# Altium PCB controller_V1.0.PcbDoc (part 3 of 8)
Units mm, origin at the board's own origin, x right, y up, seen from the top; angles counter-clockwise.
Board outline 284.13 x 175.13 mm, 4 copper layers (Top Layer, GND, VCC, Bottom Layer); 496 components, 415 nets, 1682 pads, 750 vias.
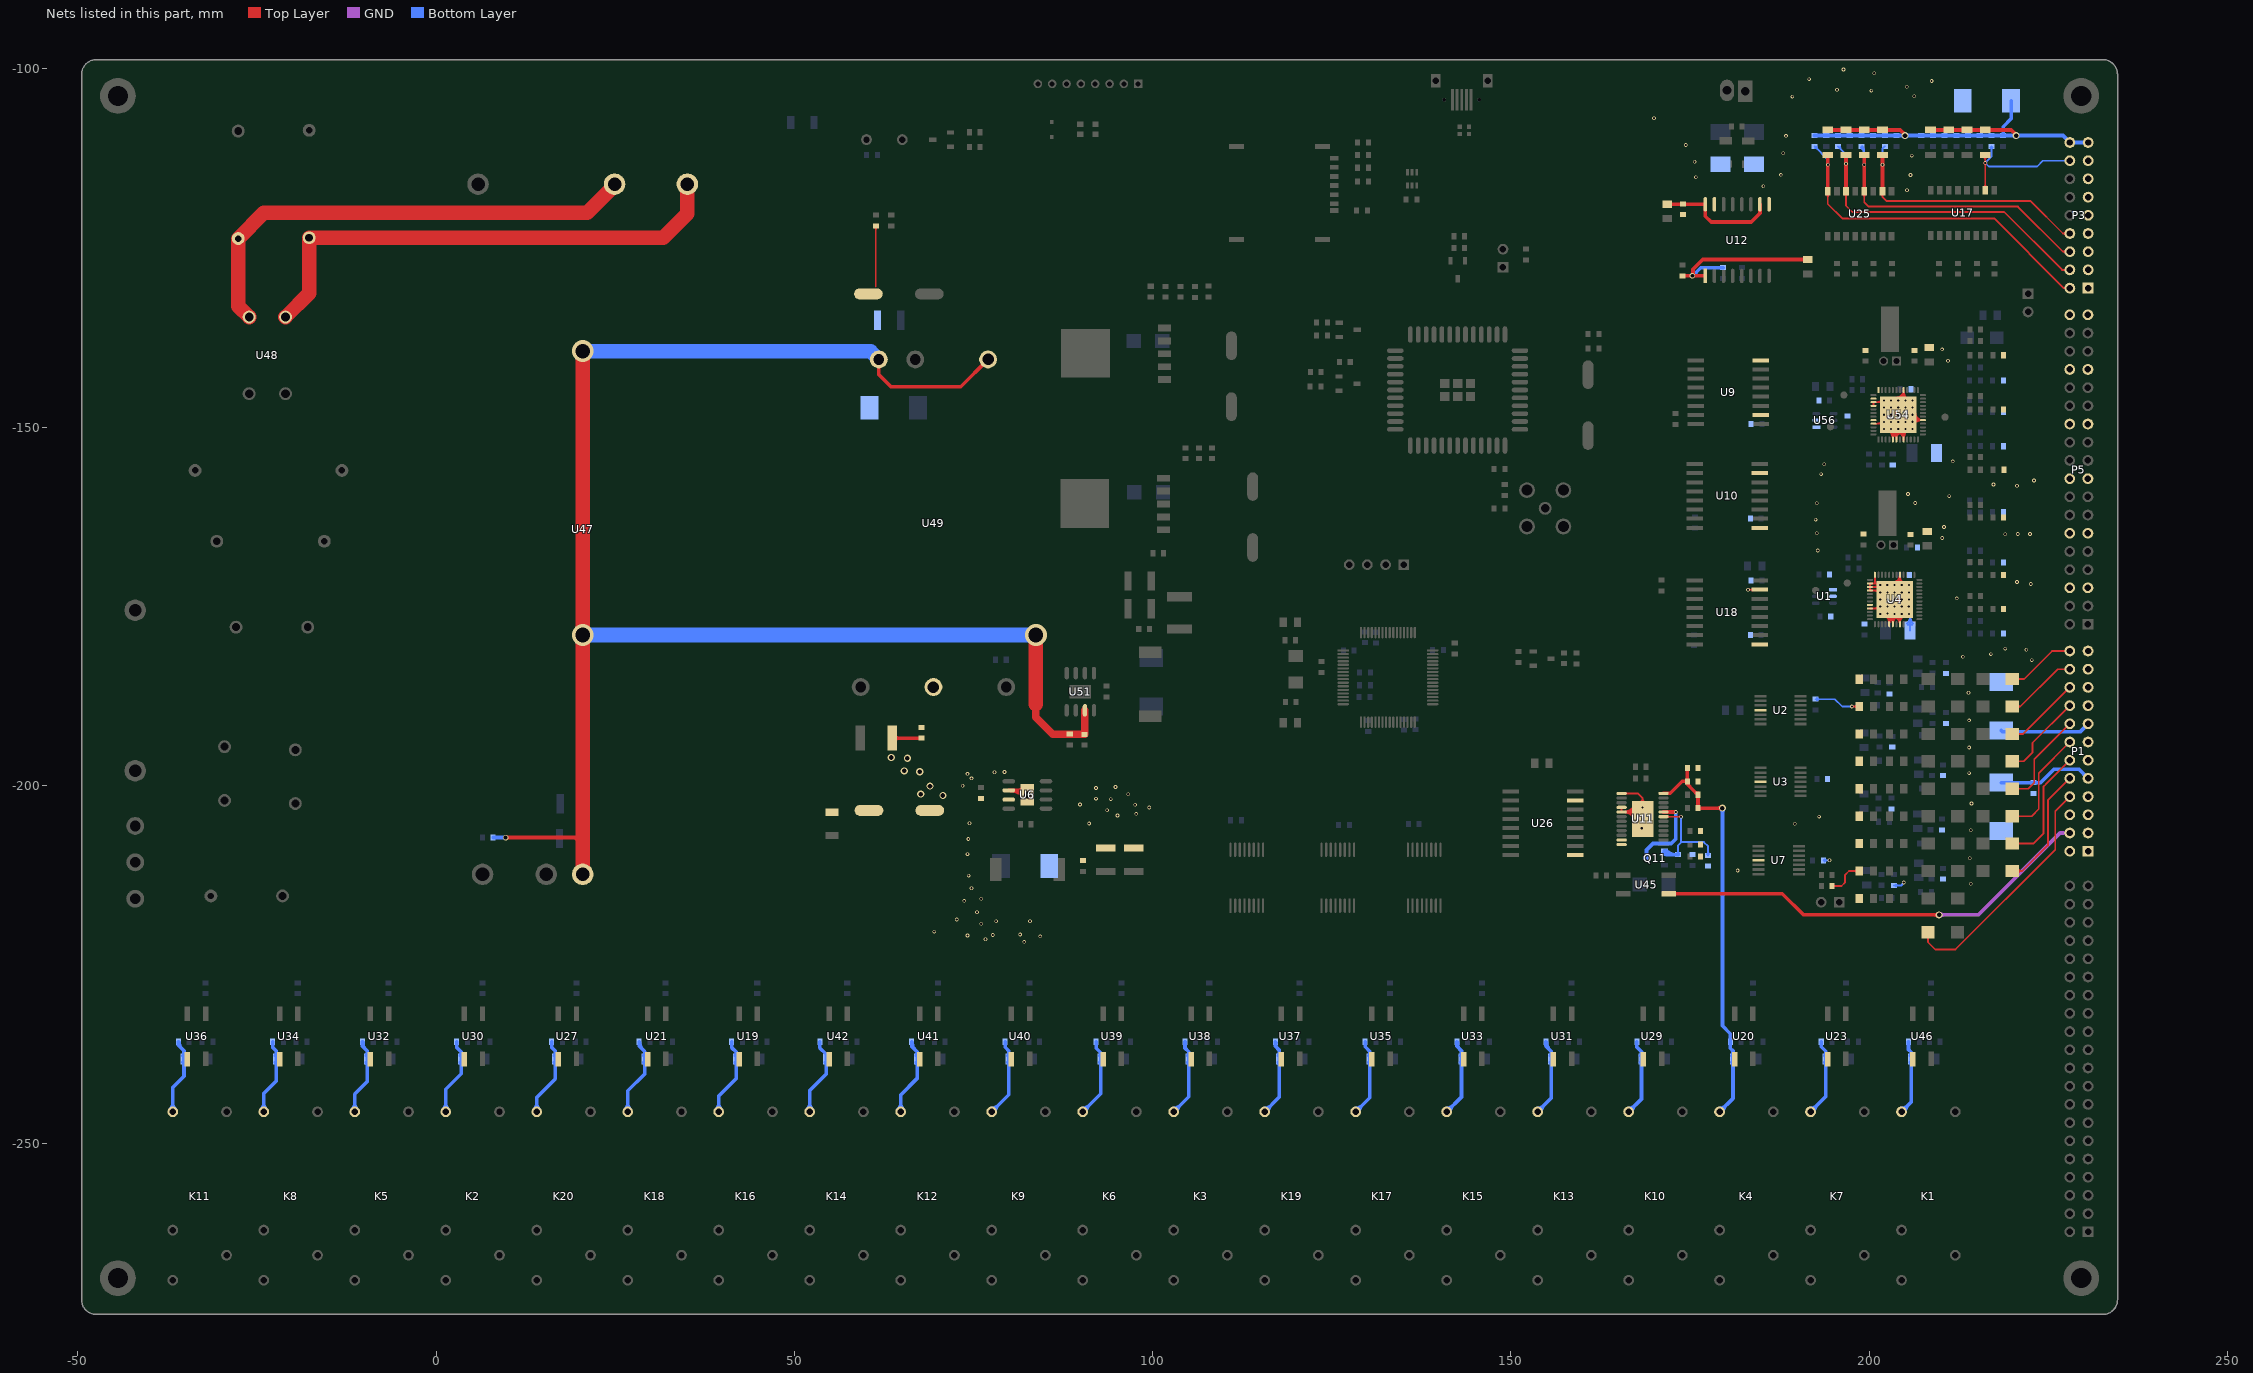
[diagram p5: the nets of this part, all layers, seen from the top]

## Via types
v1: diameter 0.508, hole 0.305, Top Layer to Bottom Layer, tented both sides, 596 vias
v2: diameter 1.016, hole 0.635, Top Layer to Bottom Layer, tented both sides, 65 vias
v3: diameter 0.6, hole 0.3, Top Layer to Bottom Layer, 50 vias
v4: diameter 0.762, hole 0.508, Top Layer to Bottom Layer, tented both sides, 29 vias
v5: diameter 2.032, hole 1.524, Top Layer to Bottom Layer, tented both sides, 4 vias
v6: diameter 3.048, hole 2.032, Top Layer to Bottom Layer, tented both sides, 3 vias
v7: diameter 1.5, hole 1, Top Layer to Bottom Layer, 2 vias
v8: diameter 2.54, hole 1.778, Top Layer to Bottom Layer, tented both sides, 1 vias

## Nets (pads, with @x,y where several pads share a name; then routed paths per layer and width w, separated by ;. In a path a pad name is that pad's centre, name@x,y a point inside that pad or via, vN(x,y) a via of type N, cw(c..) or ccw(c..) an arc to the next point about the centre after c; other vN are vias at no path point) (continued)
24V_F: C35.2 C36.2 C37.2 C54.2 C56.1 C63.1 C65.1 C76.1 C78.1 C79.1 C80.1 C96.2 C108.1 C167.2 D15.1 D39.1 D41.1 D43.1 D45.1 D46.1 D47.1 D48.1 D49.1 D50.1 D51.1 D52.2 D53.1 D54.1 D55.1 D56.1 D57.1 D58.1 D59.1 D60.1 D61.1 D62.1 D63.1 D64.1 D65.1 D66.1 D67.1 D68.1 D75.2 D76.2 D77.1 E138.1 F4.2 K1.4 K2.4 K3.4 K4.4 K5.4 K6.4 K7.4 K8.4 K9.4 K10.4 K11.4 K12.4 K13.4 K14.4 K15.4 K16.4 K17.4 K18.4 K19.4 K20.4 P1.2 P1.7 P1.9 P1.11 P1.13 P1.15 P1.17 P1.19 P1.21 P1.23 P3.17 P3.18 R81.2 R86.2 R92.2 R96.2 R108.2 R113.2 R115.2 R117.2 R122.2 R123.2 R125.2 R126.2 R129.2 R130.2 R133.2 R134.2 R137.2 R138.2 R141.2 R143.2 R145.2 R146.2 R149.2 R151.2 R153.2 R155.2 R157.2 R159.2 R179.2 U6.7 U11.24 | length 454.9
  Top Layer w0.508: F4.2@63.679,-193.396 63.706,-193.422 C54.2@67.765,-193.422 ; F4.2@63.959,-193.676 cw(c64.571,-194.287) 64.571,-193.422 ; F4.2@63.959,-193.116 ccw(c64.7,-192.375) 64.7,-193.422 ; U11.24@171.299,-201.124 172.231,-201.124 173.905,-199.449 C36.2@174.621,-199.449 ; C37.2@174.621,-197.587 C36.2@174.621,-199.449 ; C36.2@174.717,-199.524 ccw(c175.78,-199.524) 175.028,-200.276 ; 175.732,-200.98 ccw(c176.121,-200.591) C96.2@176.121,-201.141 ; v2@179.348,-203.354 ccw(c178.914,-203.788) 178.914,-203.175 ccw(c178.914,-202.561) v2@179.348,-202.995 ; v2(179.527,-203.175) C35.2@176.121,-203.175 C96.2@176.121,-201.312 176.064,-201.312 174.621,-199.869 C36.2@174.621,-199.449 ; D43.1@194.234,-108.537 D41.1@196.774,-108.537 D39.1@199.314,-108.537 D15.1@201.854,-108.537 204.346,-108.537 v2@205.13,-109.322 ; D43.1@194.672,-108.675 cw(c195.007,-109.01) 195.007,-108.537 cw(c195.007,-108.064) D43.1@194.672,-108.398 ; D41.1@196.335,-108.675 ccw(c196.001,-109.01) 196.001,-108.537 ccw(c196.001,-108.064) D41.1@196.335,-108.398 ; D41.1@197.212,-108.675 cw(c197.547,-109.01) 197.547,-108.537 cw(c197.547,-108.064) D41.1@197.212,-108.398 ; D39.1@198.875,-108.675 ccw(c198.541,-109.01) 198.541,-108.537 ccw(c198.541,-108.064) D39.1@198.875,-108.398 ; D39.1@199.752,-108.675 cw(c200.087,-109.01) 200.087,-108.537 cw(c200.087,-108.064) D39.1@199.752,-108.398 ; D15.1@201.415,-108.675 ccw(c201.081,-109.01) 201.081,-108.537 ccw(c201.081,-108.064) D15.1@201.415,-108.398 ; D15.1@202.292,-108.675 cw(c202.627,-109.01) 202.627,-108.537 cw(c202.627,-108.064) D15.1@202.292,-108.398 ; D48.1@208.559,-108.537 D47.1@211.101,-108.537 D46.1@213.644,-108.537 D45.1@216.186,-108.537 219.84,-108.537 v2@220.624,-109.322 ; D48.1@208.998,-108.675 cw(c209.333,-109.01) 209.333,-108.537 cw(c209.333,-108.064) D48.1@208.998,-108.398 ; D47.1@210.663,-108.675 ccw(c210.328,-109.01) 210.328,-108.537 ccw(c210.328,-108.064) D47.1@210.663,-108.398 ; D47.1@211.54,-108.675 cw(c211.875,-109.01) 211.875,-108.537 cw(c211.875,-108.064) D47.1@211.54,-108.398 ; D46.1@213.205,-108.675 ccw(c212.87,-109.01) 212.87,-108.537 ccw(c212.87,-108.064) D46.1@213.205,-108.398 ; D46.1@214.082,-108.675 cw(c214.417,-109.01) 214.417,-108.537 cw(c214.417,-108.064) D46.1@214.082,-108.398 ; D45.1@215.747,-108.675 ccw(c215.412,-109.01) 215.412,-108.537 ccw(c215.412,-108.064) D45.1@215.747,-108.398 ; D45.1@216.624,-108.675 cw(c216.959,-109.01) 216.959,-108.537 cw(c216.959,-108.064) D45.1@216.624,-108.398
  Bottom Layer w0.508: K11.4@-37.089,-245.216 ccw(c-37.935,-244.37) -36.738,-244.37 ccw(c-35.541,-244.37) K11.4@-36.387,-245.216 ; K11.4@-36.738,-245.567 -36.738,-242.173 -35.179,-240.614 D62.1@-35.179,-238.201 -35.179,-237.058 -35.945,-236.292 R146.2@-35.945,-235.788 ; R146.2@-35.849,-235.863 ccw(c-34.582,-235.863) -35.478,-236.759 ; D62.1@-35.318,-238.64 cw(c-35.652,-238.974) -35.179,-238.974 cw(c-34.706,-238.974) D62.1@-35.04,-238.64 ; D62.1@-35.318,-237.763 ccw(c-35.652,-237.428) -35.179,-237.428 ccw(c-34.706,-237.428) D62.1@-35.04,-237.763 ; K8.4@-24.391,-245.216 ccw(c-25.238,-244.37) -24.04,-244.37 ccw(c-22.843,-244.37) K8.4@-23.69,-245.216 ; K8.4@-24.04,-245.567 -24.04,-243.014 -22.302,-241.276 D60.1@-22.302,-238.201 -22.302,-237.083 -22.814,-236.571 R143.2@-22.814,-235.788 ; D60.1@-22.441,-238.64 cw(c-22.775,-238.974) -22.302,-238.974 cw(c-21.829,-238.974) D60.1@-22.164,-238.64 ; D60.1@-22.441,-237.763 ccw(c-22.775,-237.428) -22.302,-237.428 ccw(c-21.829,-237.428) D60.1@-22.164,-237.763 ; K5.4@-11.693,-245.216 ccw(c-12.54,-244.37) -11.343,-244.37 ccw(c-10.145,-244.37) K5.4@-10.992,-245.216 ; K5.4@-11.343,-245.567 -11.343,-243.092 -9.626,-241.375 D58.1@-9.626,-238.201 -9.626,-237.059 -10.265,-236.42 R138.2@-10.265,-235.788 ; R138.2@-10.171,-235.883 ccw(c-9.209,-236.086) -9.904,-236.781 ; D58.1@-9.764,-238.64 cw(c-10.099,-238.974) -9.626,-238.974 cw(c-9.152,-238.974) D58.1@-9.487,-238.64 ; D58.1@-9.764,-237.763 ccw(c-10.099,-237.428) -9.626,-237.428 ccw(c-9.152,-237.428) D58.1@-9.487,-237.763 ; K2.4@1.004,-245.216 ccw(c0.158,-244.37) 1.355,-244.37 ccw(c2.553,-244.37) K2.4@1.706,-245.216 ; K2.4@1.355,-245.567 1.355,-242.409 3.504,-240.26 D56.1@3.504,-238.201 3.504,-237.21 2.865,-236.571 R134.2@2.865,-235.788 ; D56.1@3.366,-238.64 cw(c3.031,-238.974) 3.504,-238.974 cw(c3.977,-238.974) D56.1@3.643,-238.64 ; D56.1@3.366,-237.763 ccw(c3.031,-237.428) 3.504,-237.428 ccw(c3.977,-237.428) D56.1@3.643,-237.763 ; K20.4@13.702,-245.216 ccw(c12.855,-244.37) 14.053,-244.37 ccw(c15.25,-244.37) K20.4@14.404,-245.216 ; K20.4@14.053,-245.567 14.053,-243.554 16.636,-240.971 D54.1@16.636,-238.201 16.636,-237.083 16.124,-236.571 R130.2@16.124,-235.788 ; D54.1@16.497,-238.64 cw(c16.163,-238.974) 16.636,-238.974 cw(c17.109,-238.974) D54.1@16.775,-238.64 ; D54.1@16.497,-237.763 ccw(c16.163,-237.428) 16.636,-237.428 ccw(c17.109,-237.428) D54.1@16.775,-237.763 ; K18.4@26.4,-245.216 ccw(c25.553,-244.37) 26.751,-244.37 ccw(c27.948,-244.37) K18.4@27.101,-245.216 ; K18.4@26.751,-245.567 26.751,-242.642 29.107,-240.285 D77.1@29.107,-238.201 29.107,-237.159 28.341,-236.393 R126.2@28.341,-235.788 ; R126.2@28.437,-235.866 ccw(c29.823,-235.914) 28.843,-236.894 ; D77.1@28.969,-238.64 cw(c28.634,-238.974) 29.107,-238.974 cw(c29.581,-238.974) D77.1@29.246,-238.64 ; D77.1@28.969,-237.763 ccw(c28.634,-237.428) 29.107,-237.428 ccw(c29.581,-237.428) D77.1@29.246,-237.763 ; K16.4@39.098,-245.216 ccw(c38.251,-244.37) 39.448,-244.37 ccw(c40.646,-244.37) K16.4@39.799,-245.216 ; K16.4@39.448,-245.567 39.448,-243.355 41.886,-240.918 D50.1@41.886,-238.201 41.886,-237.212 41.247,-236.573 R123.2@41.247,-235.788 ; D50.1@41.747,-238.64 cw(c41.412,-238.974) 41.886,-238.974 cw(c42.359,-238.974) D50.1@42.024,-238.64 ; D50.1@41.747,-237.763 ccw(c41.412,-237.428) 41.886,-237.428 ccw(c42.359,-237.428) D50.1@42.024,-237.763 ; K14.4@51.795,-245.216 ccw(c50.949,-244.37) 52.146,-244.37 ccw(c53.344,-244.37) K14.4@52.497,-245.216 ; K14.4@52.146,-245.567 52.146,-242.596 54.457,-240.285 D68.1@54.457,-238.201 54.457,-237.54 53.564,-236.647 R159.2@53.564,-235.788 ; D68.1@54.318,-238.64 cw(c53.983,-238.974) 54.457,-238.974 cw(c54.93,-238.974) D68.1@54.595,-238.64 ; K12.4@64.493,-245.216 ccw(c63.646,-244.37) 64.844,-244.37 ccw(c66.041,-244.37) K12.4@65.195,-245.216 ; K12.4@64.844,-245.567 64.844,-243.207 67.131,-240.92 D67.1@67.131,-238.201 67.131,-237.184 66.365,-236.418 R157.2@66.365,-235.788 ; R157.2@66.461,-235.869 ccw(c67.808,-235.952) 66.854,-236.907 ; D67.1@66.993,-238.64 cw(c66.658,-238.974) 67.131,-238.974 cw(c67.604,-238.974) D67.1@67.27,-238.64 ; D67.1@66.993,-237.763 ccw(c66.658,-237.428) 67.131,-237.428 ccw(c67.604,-237.428) D67.1@67.27,-237.763 ; K9.4@77.542,-245.567 79.933,-243.176 D66.1@79.933,-238.201 79.933,-237.083 79.421,-236.571 R155.2@79.421,-235.788 ; K9.4@77.542,-245.071 ccw(c77.542,-243.874) 78.388,-244.72 ccw(c79.235,-245.567) K9.4@78.038,-245.567 ; D66.1@79.794,-238.64 cw(c79.46,-238.974) 79.933,-238.974 cw(c80.406,-238.974) D66.1@80.071,-238.64 ; D66.1@79.794,-237.763 ccw(c79.46,-237.428) 79.933,-237.428 ccw(c80.406,-237.428) D66.1@80.071,-237.763 ; K6.4@90.239,-245.567 92.76,-243.047 D65.1@92.76,-238.201 92.76,-237.337 92.121,-236.698 R153.2@92.121,-235.788 ; K6.4@90.239,-245.071 ccw(c90.239,-243.874) 91.086,-244.72 ccw(c91.933,-245.567) K6.4@90.735,-245.567 ; D65.1@92.621,-238.64 cw(c92.287,-238.974) 92.76,-238.974 cw(c93.233,-238.974) D65.1@92.898,-238.64 ; D65.1@92.621,-237.763 ccw(c92.287,-237.428) 92.76,-237.428 ccw(c93.233,-237.428) D65.1@92.898,-237.763 ; K3.4@102.937,-245.567 105.028,-243.476 D64.1@105.028,-238.201 105.028,-237.184 104.516,-236.672 R151.2@104.516,-235.788 ; K3.4@102.937,-245.071 ccw(c102.937,-243.874) 103.784,-244.72 ccw(c104.63,-245.567) K3.4@103.433,-245.567 ; D64.1@104.889,-238.64 cw(c104.555,-238.974) 105.028,-238.974 cw(c105.501,-238.974) D64.1@105.167,-238.64 ; D64.1@104.889,-237.763 ccw(c104.555,-237.428) 105.028,-237.428 ccw(c105.501,-237.428) D64.1@105.167,-237.763 ; K19.4@115.635,-245.567 117.652,-243.55 D63.1@117.652,-238.201 117.652,-236.93 117.14,-236.418 R149.2@117.14,-235.788 ; K19.4@115.635,-245.071 ccw(c115.635,-243.874) 116.481,-244.72 ccw(c117.328,-245.567) K19.4@116.131,-245.567 ; R149.2@117.228,-235.901 ccw(c117.859,-236.168) 117.374,-236.653 ; D63.1@117.513,-238.64 cw(c117.179,-238.974) 117.652,-238.974 cw(c118.125,-238.974) D63.1@117.79,-238.64 ; D63.1@117.513,-237.763 ccw(c117.179,-237.428) 117.652,-237.428 ccw(c118.125,-237.428) D63.1@117.79,-237.763 ; K17.4@128.332,-245.567 130.301,-243.599 D61.1@130.301,-238.201 130.301,-237.133 129.662,-236.494 R145.2@129.662,-235.788 ; K17.4@128.332,-245.071 ccw(c128.332,-243.874) 129.179,-244.72 ccw(c130.026,-245.567) K17.4@128.828,-245.567 ; D61.1@130.162,-238.64 cw(c129.828,-238.974) 130.301,-238.974 cw(c130.774,-238.974) D61.1@130.44,-238.64 ; D61.1@130.162,-237.763 ccw(c129.828,-237.428) 130.301,-237.428 ccw(c130.774,-237.428) D61.1@130.44,-237.763 ; K15.4@141.03,-245.567 143.108,-243.49 D59.1@143.108,-238.201 143.108,-237.062 142.469,-236.423 R141.2@142.469,-235.788 ; K15.4@141.03,-245.071 ccw(c141.03,-243.874) 141.877,-244.72 ccw(c142.724,-245.567) K15.4@141.526,-245.567 ; R141.2@142.563,-235.883 ccw(c143.52,-236.09) 142.828,-236.782 ; D59.1@142.969,-238.64 cw(c142.635,-238.974) 143.108,-238.974 cw(c143.581,-238.974) D59.1@143.246,-238.64 ; D59.1@142.969,-237.763 ccw(c142.635,-237.428) 143.108,-237.428 ccw(c143.581,-237.428) D59.1@143.246,-237.763 ; K13.4@153.728,-245.567 155.65,-243.645 D57.1@155.65,-238.201 155.65,-237.133 154.884,-236.367 R137.2@154.884,-235.788 ; K13.4@153.728,-245.071 ccw(c153.728,-243.874) 154.575,-244.72 ccw(c155.421,-245.567) K13.4@154.224,-245.567 ; R137.2@154.98,-235.864 ccw(c156.407,-235.872) 155.398,-236.881 ; D57.1@155.512,-238.64 cw(c155.177,-238.974) 155.65,-238.974 cw(c156.123,-238.974) D57.1@155.789,-238.64 ; D57.1@155.512,-237.763 ccw(c155.177,-237.428) 155.65,-237.428 ccw(c156.123,-237.428) D57.1@155.789,-237.763 ; K10.4@166.426,-245.567 168.225,-243.768 D55.1@168.225,-238.201 168.225,-237.186 167.586,-236.547 R133.2@167.586,-235.788 ; K10.4@166.426,-245.071 ccw(c166.426,-243.874) 167.272,-244.72 ccw(c168.119,-245.567) K10.4@166.922,-245.567 ; D55.1@168.087,-238.64 cw(c167.752,-238.974) 168.225,-238.974 cw(c168.698,-238.974) D55.1@168.364,-238.64 ; D55.1@168.087,-237.763 ccw(c167.752,-237.428) 168.225,-237.428 ccw(c168.698,-237.428) D55.1@168.364,-237.763 ; K4.4@179.123,-245.567 180.999,-243.691 D51.1@180.999,-238.201 180.999,-237.083 180.614,-236.698 R125.2@180.614,-235.788 180.614,-234.656 179.527,-233.569 v2(179.527,-203.175) ; K4.4@179.123,-245.071 ccw(c179.123,-243.874) 179.97,-244.72 ccw(c180.817,-245.567) K4.4@179.619,-245.567 ; v2@179.348,-203.354 cw(c178.914,-203.788) 179.527,-203.788 cw(c180.14,-203.788) v2@179.707,-203.354 ; D51.1@180.861,-238.64 cw(c180.526,-238.974) 180.999,-238.974 cw(c181.473,-238.974) D51.1@181.138,-238.64 ; D51.1@180.861,-237.763 ccw(c180.526,-237.428) 180.999,-237.428 ccw(c181.473,-237.428) D51.1@181.138,-237.763 ; K7.4@191.821,-245.567 193.953,-243.436 D53.1@193.953,-238.201 193.953,-237.107 193.314,-236.468 R129.2@193.314,-235.788 ; K7.4@191.821,-245.071 ccw(c191.821,-243.874) 192.668,-244.72 ccw(c193.514,-245.567) K7.4@192.317,-245.567 ; C65.1@192.38,-109.322 C63.1@195.653,-109.322 C56.1@198.926,-109.322 C108.1@202.199,-109.322 C80.1@207.264,-109.322 C79.1@210.53,-109.322 C78.1@213.795,-109.322 C76.1@217.061,-109.322 R108.2@218.694,-109.322 ; D53.1@193.814,-238.64 cw(c193.479,-238.974) 193.953,-238.974 cw(c194.426,-238.974) D53.1@194.091,-238.64 ; D53.1@193.814,-237.763 ccw(c193.479,-237.428) 193.953,-237.428 ccw(c194.426,-237.428) D53.1@194.091,-237.763 ; K1.4@204.519,-245.567 205.883,-244.203 D49.1@205.883,-238.201 205.883,-237.252 205.498,-236.867 R122.2@205.498,-235.788 ; K1.4@204.519,-245.071 ccw(c204.519,-243.874) 205.365,-244.72 ccw(c206.212,-245.567) K1.4@205.015,-245.567 ; v2@204.824,-109.501 ccw(c204.39,-109.935) 204.39,-109.322 ccw(c204.39,-108.708) v2@204.824,-109.142 ; v2@205.183,-109.501 cw(c205.617,-109.935) 205.617,-109.322 cw(c205.617,-108.708) v2@205.183,-109.142 ; D49.1@205.744,-238.64 cw(c205.409,-238.974) 205.883,-238.974 cw(c206.356,-238.974) D49.1@206.021,-238.64 ; D49.1@205.744,-237.763 ccw(c205.409,-237.428) 205.883,-237.428 ccw(c206.356,-237.428) D49.1@206.021,-237.763 ; D52.2@218.437,-199.633 222.945,-199.633 C167.2@222.961,-199.617 223.928,-199.617 225.781,-197.764 229.276,-197.764 P1.9@230.546,-199.034 ; D75.2@218.44,-192.348 218.638,-192.545 229.415,-192.545 P1.15@230.546,-191.414 ; D76.2@219.805,-104.47 219.805,-106.965 218.694,-108.076 R108.2@218.694,-109.322 ; v2@220.318,-109.501 ccw(c219.884,-109.935) 219.884,-109.322 ccw(c219.884,-108.708) v2@220.318,-109.142 ; v2@220.677,-109.501 cw(c221.111,-109.935) 221.111,-109.322 cw(c221.111,-108.708) v2@220.677,-109.142 ; P3.17@230.556,-110.287 P3.18@228.016,-110.287 227.051,-109.322 v2(220.497,-109.322) R108.2@218.694,-109.322
  other v2: 70.739,-201.422 67.64,-201.219 68.936,-200.101 67.488,-198.095 65.329,-197.993 65.786,-196.215 63.525,-196.113 205.003,-109.322
24V_IN: C44.1 C134.2 C135.2 C136.2 C140.2 D26.2 R31.2 R102.2 R182.2 U47.6 U49.1 U49.3 U51.7 | length 242.5
  Top Layer w0.254: R102.2@61.212,-122.087 cw(c60.831,-122.468) 61.369,-122.468 cw(c61.908,-122.468) R102.2@61.527,-122.087 ; 61.369,-130.39 R102.2@61.369,-121.93
  Top Layer w0.508: v4(9.7,-207.289) 19.352,-207.289 20.465,-208.402 ; U49.3@61.796,-140.564 61.796,-142.672 63.497,-144.374 73.226,-144.374 U49.1@77.036,-140.564
  Top Layer w1.016: 83.711,-188.697 83.711,-190.495 86.077,-192.861 R182.2@88.434,-192.861 ; R182.2@88.46,-192.886 C140.2@90.523,-192.886 ; C140.2@90.548,-192.861 U51.7@90.548,-189.538
  Top Layer w2.032: U47.6@20.465,-212.423 20.465,-208.402 v6(20.465,-179.024) v6(20.465,-139.4) ; 83.711,-188.697 v6(83.711,-179.024)
  Bottom Layer w0.508: R31.2@7.974,-207.289 v4(9.7,-207.289)
  Bottom Layer w2.032: v6(20.465,-179.024) v6(83.711,-179.024) ; v6(20.465,-139.4) 60.632,-139.4 U49.3@61.796,-140.564
485_3.3V3: C45.2 FB7.1 R227.2 U12.1 | length 26.8
  Top Layer w0.508: C45.2@173.937,-128.906 v4(175.336,-128.906) v4@175.412,-128.906 ; v4@175.246,-128.817 ccw(c174.846,-128.416) 175.412,-128.416 ; U12.1@177.137,-128.905 177.136,-128.906 v4@175.412,-128.906 ; FB7.1@191.116,-126.793 ccw(c190.696,-127.213) 190.696,-126.619 ccw(c190.696,-126.025) FB7.1@191.116,-126.445 ; FB7.1@191.44,-126.619 176.759,-126.619 175.412,-127.965 v4@175.412,-128.906
  Bottom Layer w0.508: v4@175.362,-128.906 176.507,-127.761 R227.2@179.603,-127.761
485_5V: C46.2 FB8.1 U12.10 U12.16 | length 17.7
  Top Layer w0.508: FB8.1@171.803,-118.897 177.129,-118.897 U12.16@177.137,-118.905 177.137,-120.571 177.952,-121.387 183.54,-121.387 184.757,-120.17 U12.10@184.757,-118.905 ; FB8.1@172.127,-119.071 cw(c172.547,-119.491) 172.547,-118.897 cw(c172.547,-118.304) FB8.1@172.127,-118.723
AC_L: C131.1 U47.2 U48.4 | length 70.1
  Top Layer w2.032: U48.4@-26.088,-134.645 -27.612,-133.121 C131.1@-27.612,-123.698 -24.031,-120.117 21.079,-120.117 ; 23.045,-118.151 21.079,-120.117 ; U47.2@24.915,-116.103 24.915,-116.281 21.079,-120.117
AC_N: C129.2 U47.1 U48.1 | length 70.7
  Top Layer w2.032: U48.1@-21.008,-134.645 -17.706,-131.343 C129.2@-17.706,-123.585 31.708,-123.585 35.075,-120.218 U47.1@35.075,-116.103
AGND: C1.2 C2.1 C6.1 C7.1 C8.1 C16.1 C17.1 C25.1 C26.1 C33.1 C34.1 C36.1 C37.1 C38.2 C39.2 C40.1 C43.2 C46.1 C47.1 C48.2 C49.1 C54.1 C58.1 C59.2 C62.1 C67.2 C68.2 C84.1 C85.1 C86.1 C112.1 C121.1 C133.1 C138.1 C151.2 C153.2 C156.2 C157.1 C159.2 C160.1 C162.2 C164.1 C165.1 C167.1 D4.1 D52.1 D75.1 D76.1 D78.1 D79.1 E13.2 E14.2 E138.2 P1.1 P1.3 P1.5 P1.6 P3.1 P3.3 P3.5 P3.7 P3.9 P3.11 P3.13 P3.15 P5.5 P5.6 P5.11 P5.12 P5.17 P5.18 P5.23 P5.24 P5.29 P5.30 P5.35 P5.36 R6.1 R12.1 R14.1 R18.1 R23.1 R28.1 R33.1 R35.1 R38.1 R71.2 R89.1 R198.1 R199.1 R200.1 R201.1 R210.1 R211.1 R212.1 R213.1 R222.1 R223.1 R224.1 R225.1 U1.1 U1.2 U2.11 U3.11 U4.5 U4.12 U4.14 U4.15 U4.16 U4.20 U4.21 U4.29 U4.30 U4.32 U4.49 U6.6 U6.9 U7.11 U9.2 U9.8 U10.9 U10.15 U11.1 U11.4 U11.5 U11.11 U11.12 U11.25 U12.9 U12.15 U18.9 U18.15 U19.3 U20.3 U21.3 U23.3 U26.9 U26.15 U27.3 U29.3 U30.3 U31.3 U32.3 U33.3 U34.3 U35.3 U36.3 U37.3 U38.3 U39.3 U40.3 U41.3 U42.3 U46.3 U49.5 U54.5 U54.12 U54.14 U54.15 U54.16 U54.20 U54.21 U54.29 U54.30 U54.32 U54.41 U54.49 U56.1 U56.2 | length 264.9